# KiCad board DB512k.kicad_pcb (continued)
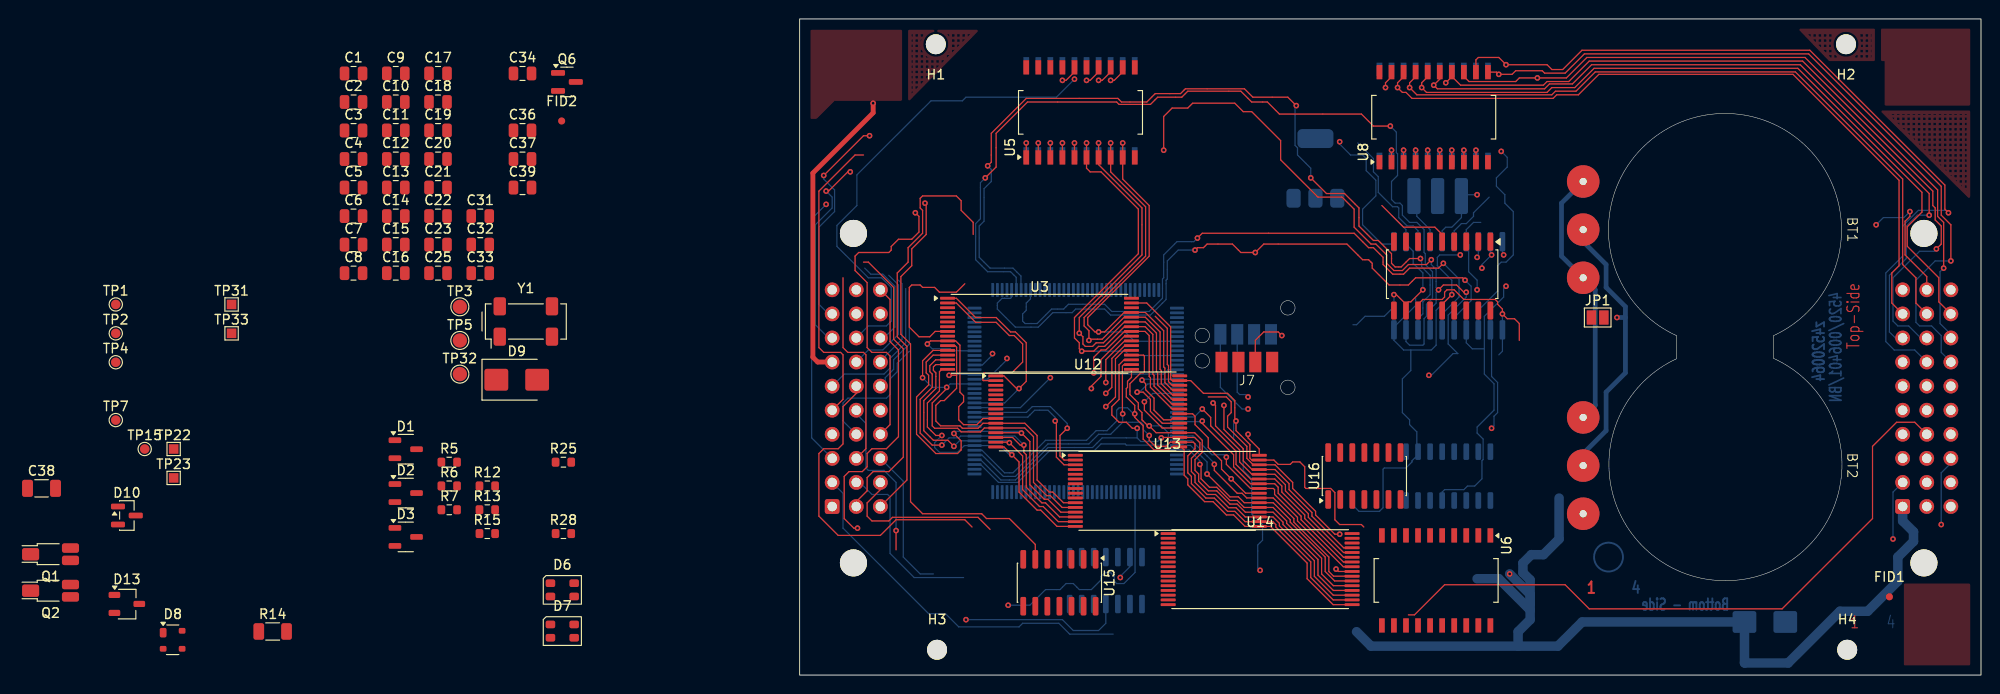
[diagram p0: board, top side]
## Routing (per net, layer and track width the routed paths; a pad name or vN(x,y) marks a point on that pad's centre or on a via; arc(x,y) is an arc through that point)
GND: length 161.5
  Top w0.127: U14.24 56.77,10.93 v1(56.52,11.18) ; U13.24 46.99,19.18 v1(45.47,20.7) 44.45,21.72 44.45,22.61 43.05,24 43.05,25.02 41.66,26.42 41.66,27.31 41.4,27.56 U12.24 ; v1(30.73,30.23) 30.73,30.48 31.75,31.5 31.75,33.27 34.23,35.75 U3.24
  Top w0.5: v1(7.75,60.33) 7.75,59.31 1.4,52.96 1.4,33.53 1.91,33.02 J8.a7
  Bottom w0.127: v1(74.17,44.32) 74.04,44.45 U2.10
  Bottom w1: v1(74.8,10.67) 76.96,8.51 76.96,7.49 ; 76.96,7.49 76.96,10.03 76.2,10.8 76.2,11.81 77.09,12.7 78.36,12.7 80.01,14.35 80.01,18.67 ; 76.96,7.49 76.96,6.86 ; 76.96,6.86 73.66,10.16 71.37,10.16 ; 76.96,6.86 76.96,5.84 75.69,4.57 75.69,3.05 ; J9.a1 116.2,16.26 117.35,15.11 117.35,14.1 115.7,12.45 115.7,9.91 112.52,6.73 109.6,6.73 104.14,1.27 99.57,1.27 99.54,1.3 D4.2 82.43,5.6 79.88,3.05 75.69,3.05 ; 58.67,4.57 60.2,3.05 75.69,3.05
VDD: length 65.4
  Top w0.127: U3.8 14.28,36.25 13.72,35.69 12.57,35.69 11.56,36.7 11.56,40.89 11.81,41.15 12.7,41.15 12.95,40.89 14.22,40.89 14.73,40.39 16.51,40.39 17.4,41.28 ; v1(68.71,40.13) 67.69,39.12 U10.14
  Bottom w0.127: 64.9,39.75 64.9,38.99 62.61,36.7 U2.20 62.61,35.31 63.63,34.29 64.39,34.29 ; 64.39,34.29 64.39,32.13 63.5,31.24 63.5,27.69 64.26,26.92 64.26,26.42 65.02,25.65 65.02,23.11 64.52,22.61 64.52,22.48 63.88,21.84 61.6,21.84 61.47,21.72 61.47,17.65 61.09,17.27 58.93,17.27 58.17,18.03 ; 64.39,34.29 66.55,34.29 67.06,34.8 67.06,38.48 v1(68.71,40.13) 68.71,41.66 67.18,43.18 67.18,44.07 67.44,44.32 v1(69.6,44.32)
+BATT: length 27.8
  Bottom w0.5: BT2.1 83.82,28.45 83.82,40.64 BT1.1 80.26,44.2 80.26,49.78 BT1.1
-BATT: length 29.5
  Bottom w0.5: 87,37.72 87,38.86 84.96,40.89 84.96,43.31 82.55,45.72 BT1.2 ; 87,37.72 87,31.88 84.96,29.85 84.96,25.78 82.55,23.37 BT2.2 ; 87,37.72 v1(86.11,37.72)
/cA1: length 7.4
  Bottom w0.127: J9.c3 121.29,22.35 120.27,21.34 v1(120.27,15.88)
/cA2: length 6.4
  Bottom w0.127: v1(115.19,14.35) 115.19,19.3 J9.a2
/cA20: length 30.8
  Top w0.127: v1(6.1,15.49) 5.72,15.49 4.7,16.51 4.7,20.96 5.21,21.46 6.6,21.46 7.11,21.97 7.11,23.37 7.62,23.88 9.14,23.88 10.41,25.15 10.41,34.29 9.53,35.18 9.53,39.62 J8.c10
/cA22: length 19
  Bottom w0.127: 17.27,10.29 12.07,10.29 9.53,12.83 9.53,18.8 9.27,19.05 7.62,19.05 6.35,20.32 J8.b2
/cD0: length 75.8
  Top w0.127: U8.18 63.63,63.12 62.99,62.48 v1(62.99,61.98) 63.5,61.47 63.88,61.47 64.52,60.83 79.38,60.83 79.76,61.21 82.04,61.21 84.2,63.37 104.65,63.37 115.82,52.2 115.82,43.18 115.06,42.42 115.06,39.24 J9.a9
/cD1: length 75.1
  Top w0.127: J9.b9 117.6,39.24 117.6,41.91 116.2,43.31 116.2,52.32 104.9,63.63 83.82,63.63 81.79,61.6 79.63,61.6 79.25,61.21 65.02,61.21 v1(64.26,61.98) 64.26,62.48 64.9,63.12 U8.17
/cD2: length 76.6
  Top w0.127: J9.c9 120.02,39.37 120.02,41.91 116.69,45.24 116.69,47.29 118.24,48.84 118.24,50.93 105.16,64.01 83.69,64.01 81.66,61.98 79.25,61.98 78.74,61.47 66.04,61.47 v1(65.53,61.98) 65.53,62.48 66.17,63.12 U8.16
/cD3: length 79.4
  Top w0.127: v1(119,48.51) 119,50.8 105.41,64.39 83.44,64.39 81.41,62.36 78.99,62.36 78.49,61.85 67.18,61.85 v1(66.8,62.23) 67.44,62.87 U8.15
  Bottom w0.127: v1(119,48.51) 117.75,48.51 116.59,47.35 116.59,43.94 114.81,42.16 114.81,36.2 115.44,35.56 J9.a8
/cD4: length 81
  Top w0.127: v1(119.76,44.96) 120.27,45.47 120.27,47.37 119.63,48.01 119.63,49.28 119.38,49.53 119.38,51.05 105.66,64.77 83.19,64.77 81.03,62.61 78.74,62.61 78.36,62.23 69.63,62.23 68.71,63.15 U8.14 68.71,63.12 v1(68.07,62.48)
  Bottom w0.127: J9.b8 118.11,35.56 116.84,36.83 115.7,36.83 115.19,37.34 115.19,41.91 117.98,44.7 119.51,44.7 v1(119.76,44.96)
/cD5: length 73.9
  Top w0.127: U8.13 69.98,63.15 70.52,62.61 75.44,62.61 75.82,62.99 v1(77.72,62.99) 80.77,62.99 82.93,65.15 105.92,65.15 119.89,51.18 119.89,48.39 120.52,47.75 v1(120.52,42.93)
  Bottom w0.127: J9.c8 121.29,35.94 120.14,37.08 120.14,42.55 v1(120.52,42.93)
/cD6: length 84.9
  Top w0.127: U8.12 71.25,64.9 71.5,65.15 73.66,65.15 v1(74.42,64.39) 78.74,64.39 79.25,63.88 80.39,63.88 82.42,65.91 106.43,65.91 120.65,51.69 120.65,49.15 v1(121.03,48.77)
  Bottom w0.127: J9.b7 117.48,34.29 115.32,34.29 114.43,35.18 114.43,42.42 116.2,44.2 116.2,47.37 117.86,49.02 120.78,49.02 v1(121.03,48.77)
/cD7: length 78.5
  Top w0.127: v1(121.29,43.69) 121.29,47.5 120.27,48.51 120.27,51.56 106.3,65.53 82.68,65.53 80.64,63.5 78.49,63.5 78.23,63.75 75.44,63.75 75.06,63.37 v1(73.66,63.37) 73.43,63.6 U8.11
  Bottom w0.127: v1(121.29,43.69) 119.63,43.69 117.6,41.66 117.6,37.21 117.98,36.83 119.25,36.83 120.27,35.81 120.27,34.04 J9.c7
/cD10: length 2.1
  Top w0.127: v1(27.69,62.74) 28.07,62.74 28.96,63.63 U5.16
/cD12: length 2.1
  Top w0.127: v1(30.23,62.74) 30.61,62.74 31.5,63.63 U5.14
/cD13: length 2.1
  Top w0.127: v1(31.5,62.74) 31.88,62.74 32.77,63.63 U5.13
/cD14: length 2.1
  Top w0.127: v1(32.77,62.74) 33.15,62.74 34.04,63.63 U5.12
/cPF1: length 32
  Top w0.127: J8.a5 4.57,29.08 4.57,33.78 4.32,34.04 2.54,34.04 2.03,34.54 2.03,51.05 5.84,54.86 6.73,54.86
/cPF2: length 13.5
  Top w0.127: J9.b10 118.75,42.04 116.46,44.32 116.46,47.88 116.97,48.39 v1(116.97,48.9)
  Bottom w0.127: v1(116.97,48.9) 116.33,48.26 114.17,48.26 v1(113.41,47.5)
/cPF5: length 28.3
  Bottom w0.127: J8.a3 1.27,25.02 1.27,48.13 v1(2.79,49.66)
/cPQS0: length 34.2
  Top w0.127: J8.b6 5.97,29.72 4.57,28.32 4.57,24.38 4.06,23.88 2.54,23.88 2.03,23.37 2.03,16.76 4.06,14.73 8.51,14.73 10.16,16.38 17.4,16.38 18.16,15.62
/cPQS1: length 11.3
  Bottom w0.127: 11.56,40.51 11.56,34.93 9.91,33.27 9.91,32.26 9.02,31.37 9.02,30.99 J8.c6
/cPQS2: length 16
  Bottom w0.127: 11.18,40.77 11.18,35.05 9.53,33.4 9.53,32.39 8.89,31.75 4.7,31.75 J8.a6
/cPQS5: length 30.8
  Top w0.127: J8.b1 5.97,18.29 7.11,19.43 7.11,20.83 7.75,21.46 9.4,21.46 10.92,22.99 10.92,34.42 9.91,35.43 9.91,40.89 7.24,43.56 6.73,43.56
/cPQS6: length 44
  Top w0.127: 18.29,46.48 18.29,47.75 17.02,49.02 17.02,50.04 16.51,50.55 12.95,50.55 12.7,50.29 12.7,49.28 12.95,49.02 12.95,46.61 11.43,45.09 11.43,43.56 10.29,42.42 10.29,35.69 11.3,34.67 11.3,20.57 J8.c1
/cRXD: length 31.8
  Top w0.127: J8.c4 9.53,26.42 9.53,33.66 9.14,34.04 7.62,34.04 7.11,34.54 7.11,41.4 5.84,42.67 5.84,44.2 6.22,44.58 9.4,44.58 9.65,44.83 9.65,45.21 10.41,45.97 11.81,45.97 12.57,46.74 12.57,48.39 v1(12.19,48.77)
/cTXD: length 21.4
  Top w0.127: J8.b3 6.98,23.88 6.98,33.78 6.73,34.04 5.08,34.04 4.57,34.54 4.57,41.91
A1: length 69.9
  Top w0.127: U3.20 36.23,33.75 36.32,33.66 36.32,32 36.2,31.88 35.94,31.88 34.8,30.73 34.8,29.59 35.69,28.7 35.69,28.07 36.07,27.69 36.07,26.92 36.7,26.29 v1(36.83,26.29) 37.56,25.56 U12.20 41.62,25.56 42.42,24.77 42.42,23.5 41.66,22.73 41.66,21.59 42.04,21.21 42.04,20.45 43.05,19.43 43.94,19.43 45.34,18.03 46.1,18.03 46.95,17.18 U13.20 49.88,17.18 50.93,16.13 50.93,15.88 54.61,12.19 54.61,10.54 56.23,8.93 U14.20
  Bottom w0.127: 18.43,22.21 19.07,22.21 20.95,20.32 22.99,20.32 26.29,23.62 30.99,23.62 31.75,24.38 34.29,24.38 34.42,24.26 38.61,24.26 38.85,24.5 38.85,25.54 38.1,26.29 v1(36.83,26.29)
A2: length 65.7
  Top w0.127: v1(35.56,26.04) 35.05,26.04 34.42,26.67 33.66,26.67 32.89,27.43 32.89,28.32 33.66,29.08 33.66,32.73 34.17,33.25 U3.19 ; v1(38.1,25.02) 38.14,25.06 U12.19 41.61,25.06 42.16,24.51 42.16,23.75 41.27,22.86 41.27,21.46 41.66,21.08 41.66,20.32 42.93,19.05 43.82,19.05 45.21,17.65 45.97,17.65 46.95,16.68 U13.19 49.87,16.68 50.55,16 50.55,15.75 54.23,12.07 54.23,10.41 56.22,8.43 U14.19
  Bottom w0.127: 35.56,25.02 31.88,25.02 30.86,24 26.16,24 22.73,20.57 21.21,20.57 19.07,22.71 18.43,22.71 ; 35.56,25.02 35.94,24.64 37.72,24.64 v1(38.1,25.02) ; 35.56,25.02 v1(35.56,26.04)
A3: length 63.2
  Top w0.127: v1(34.04,27.56) 34.01,27.59 34.01,32.59 34.17,32.75 U3.18 ; v1(36.83,25.27) 36.83,24.77 37.47,24.13 38.61,24.13 39.04,24.56 U12.18 41.48,24.56 41.66,24.38 41.66,23.88 40.89,23.11 40.89,21.34 41.27,20.96 41.27,20.19 42.8,18.67 43.69,18.67 45.08,17.27 45.85,17.27 46.94,16.18 U13.18 49.86,16.18 50.17,15.88 50.17,15.62 53.85,11.94 53.85,10.29 56.21,7.93 U14.18
  Bottom w0.127: 34.04,26.67 35.94,26.67 36.2,26.42 36.2,25.91 v1(36.83,25.27) ; 34.04,26.67 32.77,25.4 31.5,25.4 30.48,24.38 26.16,24.38 22.73,20.96 21.46,20.96 19.21,23.21 18.43,23.21 ; 34.04,26.67 v1(34.04,27.56)
A4: length 62.4
  Top w0.127: U3.17 34.96,31.4 34.54,30.99 34.54,30.35 34.42,30.23 34.42,29.34 35.31,28.45 v1(35.31,27.56) 35.31,27.18 36.2,26.29 36.2,24.89 37.34,23.75 38.86,23.75 39.18,24.06 U12.17 40.2,24.06 40.51,23.75 40.51,21.08 40.89,20.7 40.89,20.07 42.67,18.29 43.56,18.29 44.96,16.89 45.72,16.89 46.93,15.68 U13.17 49.6,15.68 53.47,11.81 53.47,10.16 56.2,7.43 U14.17
  Bottom w0.127: 18.43,23.71 19.22,23.71 21.59,21.34 22.48,21.34 25.91,24.77 30.23,24.77 31.24,25.78 32.39,25.78 33.4,26.8 33.4,27.94 33.66,28.19 34.54,28.19 35.18,27.56 v1(35.31,27.56)
A5: length 33.6
  Top w0.127: U12.16 21.53,24.06 v1(22.35,23.24) 23.11,22.48 23.11,19.3 25.02,17.4 25.4,17.4 27.12,15.68 U13.16 ; v1(14.99,25.27) 14.35,25.27 13.46,26.16 13.46,28.7 14.73,29.97 14.73,32 14.98,32.25 U3.16
  Bottom w0.127: v1(22.35,23.24) 22.1,23.24 21.13,24.21 17.35,24.21 16.64,23.5 14.73,23.5 14.22,24 14.22,24.51 v1(14.99,25.27)
A6: length 32.9
  Top w0.127: U3.15 14.34,32.75 14.1,32.51 14.1,32.13 14.35,31.88 14.35,30.23 13.08,28.96 13.08,25.78 14.1,24.77 15.62,24.77 v1(16.26,24.13) ; U13.15 27.25,16.18 25.65,17.78 25.27,17.78 23.5,19.56 23.5,23.11 v1(22.1,24.51) 22.05,24.56 U12.15
  Bottom w0.127: v1(22.1,24.51) 21.9,24.71 16.84,24.71 v1(16.26,24.13)
A7: length 36.4
  Top w0.127: v1(14.99,24.26) 13.97,24.26 12.7,25.53 12.7,29.08 13.97,30.35 13.97,31.75 13.72,32 13.72,32.64 14.33,33.25 U3.14 ; U12.14 22.44,25.06 23.24,24.26 v1(23.62,24.26) 23.62,23.5 23.88,23.24 23.88,19.81 25.53,18.16 25.91,18.16 27.39,16.68 U13.14
  Bottom w0.127: v1(23.62,24.26) 22.67,25.21 16.95,25.21 16.76,25.02 15.75,25.02 v1(14.99,24.26)
A8: length 40.5
  Top w0.127: v1(16.26,25.48) 16.26,25.46 17.02,24.7 17.02,23.75 16.64,23.37 14.35,23.37 12.32,25.4 12.32,29.34 13.59,30.61 13.59,31.62 13.34,31.88 13.34,33.02 14.07,33.75 U3.13 ; U13.13 27.52,17.18 26.16,18.54 25.78,18.54 24.26,20.07 24.26,24.64 v1(23.37,25.53) 23.33,25.56 U12.13
  Bottom w0.127: v1(23.37,25.53) 23.19,25.71 16.31,25.71 16.26,25.65 v1(16.26,25.48)
A9: length 15.7
  Top w0.127: v1(26.92,26.8) 27.05,26.67 27.05,22.99 27.86,22.18 U13.3
  Bottom w0.127: 18.43,27.21 24.03,27.21 24.77,27.94 26.16,27.94 26.92,27.18 v1(26.92,26.8)
A10: length 34.6
  Top w0.127: U13.2 27.87,22.68 27.43,23.11 27.43,25.27 v1(28.19,26.04) ; U3.2 16.5,39.25 18.54,37.21 20.7,37.21 22.1,35.81 22.61,35.81 23.5,34.93 23.5,33.02 22.35,31.88 19.43,31.88 19.3,31.75 19.3,31.12 19.36,31.06 U12.2
  Bottom w0.127: 18.43,27.71 23.9,27.71 24.51,28.32 26.42,28.32 28.19,26.54 v1(28.19,26.04)
A11: length 70.1
  Top w0.127: U3.31 36.57,39.25 39.09,36.73 39.09,31.23 39.25,31.06 U12.31 41.2,31.06 42.55,29.72 45.08,29.72 45.85,28.96 45.85,26.92 v1(45.97,26.8) 45.97,25.78 47.43,24.32 ; 59.44,15.62 59.18,15.88 56.9,15.88 56.39,16.38 56.39,19.24 55.95,19.69 53.34,19.69 53.21,19.81 53.21,21.97 52.7,22.48 51.94,22.48 51.69,22.23 50.42,22.23 49.96,22.68 U13.31 47.64,22.68 47.43,22.88 47.43,24.32 ; 47.43,24.32 47.43,24.26
  Bottom w0.127: v1(45.97,26.8) 45.72,26.54 45.72,24.89 46.74,23.88 46.74,21.59 47.63,20.7 47.63,17.02 48.77,15.88 48.77,14.22 48.26,13.72 48.26,11.3 v1(48.51,11.05) ; v1(26.42,31.37) 23.26,28.21 18.43,28.21
A12: length 23.7
  Top w0.127: U3.1 16.51,39.75 18.54,37.72 20.7,37.72 22.23,36.2 22.73,36.2 23.88,35.05 23.88,30.99 v1(23.11,30.23) 22.86,30.23 21.52,31.56 U12.1
  Bottom w0.127: v1(23.11,30.23) 21.6,28.71 18.43,28.71
A13: length 37.4
  Top w0.127: U3.12 14.06,34.25 12.95,33.15 v1(12.95,31.37) ; v1(15.49,30.35) 15.49,30.23 13.97,28.7 13.97,26.29 14.22,26.04 16.64,26.04 17.02,25.65 19.05,25.65 19.46,26.06 U12.12 23.72,26.06 24.64,25.15 24.64,20.32 26.04,18.92 26.42,18.92 27.66,17.68 U13.12
  Bottom w0.127: v1(12.95,31.37) 13.97,30.35 v1(15.49,30.35) 15.85,30.71 18.43,30.71
A14: length 4.4
  Bottom w0.127: 18.43,31.21 19.78,31.21 21.84,33.27 v1(21.84,33.4)
A15: length 34.9
  Top w0.127: v1(15.75,31.62) 16.54,31.62 ; 16.54,31.62 16.54,34.59 16.37,34.75 U3.11 ; 16.54,31.62 16.54,30.25 15.24,28.96 14.86,28.96 14.35,28.45 14.35,26.8 14.86,26.29 16.89,26.29 17.15,26.04 18.8,26.04 19.32,26.56 U12.11 23.73,26.56 25.02,25.27 25.02,20.57 26.29,19.3 26.67,19.3 27.79,18.18 U13.11
  Bottom w0.127: 18.43,31.71 15.83,31.71 v1(15.75,31.62)
A16: length 2.5
  Bottom w0.127: 18.43,32.71 19.25,32.71 20.32,33.78 v1(20.32,33.91)
A17: length 21.6
  Top w0.127: v1(13.46,34.93) 13.79,35.25 U3.10 16.44,35.25 16.89,34.8 16.89,29.85 17.27,29.46 17.27,28.83 16.76,28.32 16.76,26.92 17.27,26.42 18.67,26.42 19.32,27.06 U12.10
  Bottom w0.127: 18.43,34.21 16.08,34.21 15.88,34.42 13.97,34.42 v1(13.46,34.93)
A19: length 25.3
  Bottom w0.127: U1.6 35.34,10.83 34.16,9.65 33.4,9.65 33.15,9.91 33.15,10.41 32.77,10.8 32.13,10.8 31.75,10.41 31.75,10.03 30.73,9.02 29.46,9.02 28.83,9.65 28.07,9.65 27.43,9.02 25.91,9.02 24.26,7.37 v1(21.97,7.37)
CE: length 1.9
  Top w0.127: U8.19 62.36,63.12 61.72,62.48 v1(61.72,61.98)
D0: length 27.8
  Top w0.127: U14.21 56.23,9.43 54.99,10.67 54.99,12.32 51.31,16 51.31,16.26 49.88,17.68 U13.21 46.83,17.68 46.1,18.42 45.34,18.42 43.94,19.81 43.18,19.81 42.29,20.7 42.29,22.1 v1(42.16,22.23) ; U8.9 v1(71.25,55.37)
  Bottom w0.127: v1(42.16,22.23) 42.16,22.61 41.04,23.73 39.73,23.73
D1: length 28.5
  Top w0.127: v1(42.93,21.21) 45.34,18.8 46.23,18.8 46.84,18.18 U13.22 49.89,18.18 51.69,16.38 51.69,16.13 55.37,12.45 55.37,10.92 56.37,9.93 U14.22 ; U8.8 v1(69.98,55.37)
  Bottom w0.127: v1(42.93,21.21) 42.93,22.48 41.18,24.23 39.73,24.23 ; U7.3 v1(69.98,55.37)
D2: length 27.2
  Top w0.127: v1(43.69,22.23) 43.69,21.59 46.1,19.18 46.61,19.18 47.11,18.68 U13.23 49.9,18.68 52.07,16.51 52.07,16.13 55.75,12.45 55.75,10.92 56.25,10.43 U14.23 ; U8.7 v1(68.71,55.37)
  Bottom w0.127: v1(43.69,22.23) 43.69,22.35 41.31,24.73 39.73,24.73
D3: length 26.4
  Top w0.127: v1(44.96,22.99) 44.96,22.23 47.5,19.68 U13.25 49.92,19.68 50.04,19.56 50.04,19.05 52.45,16.64 52.45,16.26 57.28,11.43 U14.25 ; U8.6 v1(67.44,55.37)
  Bottom w0.127: 39.73,25.23 41.45,25.23 43.43,23.24 44.7,23.24 v1(44.96,22.99)
D4: length 27.4
  Top w0.127: U8.5 v1(66.17,55.37) ; U14.26 57.29,11.93 52.83,16.38 52.83,16.76 50.42,19.18 50.42,19.81 50.05,20.18 U13.26 47.51,20.18 45.72,21.97 45.72,23.24 42.42,26.54 v1(42.42,26.8)
  Bottom w0.127: v1(42.42,26.8) 42.35,26.73 39.73,26.73
D5: length 28.5
  Top w0.127: U14.27 57.3,12.43 53.21,16.51 53.21,16.89 50.8,19.3 50.8,19.94 50.06,20.68 U13.27 47.52,20.68 45.97,22.23 45.97,23.62 43.31,26.29 43.31,27.18 v1(42.42,28.07) ; U8.4 v1(64.9,55.37)
  Bottom w0.127: 39.73,27.23 41.58,27.23 v1(42.42,28.07)
D6: length 25
  Top w0.127: v1(43.56,28.7) 43.82,28.45 43.82,26.29 46.36,23.75 46.36,22.48 47.65,21.18 U13.28 50.07,21.18 51.18,20.07 51.18,19.43 53.59,17.02 53.59,16.64 57.3,12.93 U14.28 ; U8.3 v1(63.63,55.37)
D7: length 23.8
  Top w0.127: U14.29 57.31,13.43 53.98,16.76 53.98,17.15 51.56,19.56 51.56,20.19 50.07,21.68 U13.29 47.66,21.68 46.74,22.61 46.74,23.88 44.7,25.91 v1(44.7,28.45) ; U8.2 v1(62.36,55.37)
D8: length 18.2
  Top w0.127: U12.21 38.2,26.06 36.32,27.94 v1(36.32,28.83) ; U5.2 v1(25.15,56.13) ; v1(32.26,28.32) 33.27,29.34 33.27,33.35 34.17,34.25 U3.21
  Bottom w0.127: v1(36.32,28.83) 37.2,29.71 U1.127
D9: length 19.2
  Top w0.127: U3.22 34.24,34.75 32.89,33.4 32.89,30.35 v1(32.26,29.72) ; v1(35.56,29.85) 36.2,29.85 36.96,29.08 36.96,27.81 38.21,26.56 U12.22 ; U5.3 v1(26.42,56.13)
  Bottom w0.127: v1(35.56,29.85) 35.81,29.85 36.68,30.71 U1.125
D10: length 18.1
  Top w0.127: U3.23 34.23,35.25 32.26,33.27 v1(32.26,30.86) ; U12.23 39.26,27.06 39.12,26.92 38.35,26.92 37.34,27.94 37.34,29.21 36.45,30.1 36.45,30.73 v1(36.07,31.12) ; U5.4 v1(27.69,56.13)
  Bottom w0.127: v1(36.07,31.12) 36.16,31.21 U1.124
D11: length 28.9
  Top w0.127: v1(30.99,31.88) 30.99,33.53 31.75,34.29 32.26,34.29 34.22,36.25 U3.25 36.39,36.25 36.83,35.81 36.83,31.5 36.96,31.37 36.96,30.35 39.25,28.06 U12.25 ; U5.5 v1(28.96,56.13)
  Bottom w0.127: v1(30.99,31.88) 31.12,31.75 38.35,31.75 38.81,32.21 U1.122
D12: length 56.1
  Top w0.127: U12.26 39.26,28.56 37.34,30.48 37.34,31.62 37.21,31.75 37.21,35.94 36.4,36.75 U3.26 34.21,36.75 32.13,34.67 31.5,34.67 30.99,34.16 v1(29.72,34.16) 29.46,34.42 29.46,35.05 28.96,35.56 28.96,37.72 35.69,44.45 35.69,49.15 31.75,53.09 30.61,53.09 30.23,53.47 v1(30.23,56.13)
  Bottom w0.127: v1(29.72,34.16) 34.29,34.16 34.74,33.71 U1.119
D13: length 43.9
  Top w0.127: v1(31.5,56.13) U5.7 31.5,53.85 36.07,49.28 36.07,44.32 29.46,37.72 v1(29.46,36.07) 29.84,35.69 29.84,34.93 30.1,34.67 30.86,34.67 31.24,35.05 32,35.05 34.2,37.25 U3.27 36.41,37.25 37.59,36.07 37.59,32 37.72,31.88 37.72,30.61 39.26,29.06 U12.27
D14: length 42.3
  Top w0.127: U12.28 39.27,29.56 38.1,30.73 38.1,32.13 37.97,32.26 37.97,36.2 36.42,37.75 U3.28 34.2,37.75 31.88,35.43 30.61,35.43 v1(30.48,35.31) 30.48,36.32 29.97,36.83 29.97,37.72 36.45,44.2 36.45,49.4 32.77,53.09 U5.8 v1(32.77,56.13)
D15: length 49.1
  Top w0.127: U12.29 39.28,30.06 38.48,30.86 38.48,32.39 38.35,32.51 38.35,36.32 36.42,38.25 U3.29 34.19,38.25 32.13,36.2 v1(31.5,36.2) 31.12,36.2 30.35,36.96 30.35,37.72 36.83,44.2 36.83,49.53 34.04,52.32 U5.9 v1(34.04,56.13)
  Bottom w0.127: U1.116 35.28,35.21 34.29,36.2 v1(31.5,36.2)
DSCLK: length 90.4
  Top w0.127: v1(53.85,52.45) 55.5,50.8 57.4,50.8 58.93,49.28 58.93,47.37 60.45,45.85 60.96,45.85 62.36,44.45 62.36,43.43 62.74,43.05 63.37,43.05 64.26,43.94 v1(65.41,43.94) ; v1(52.32,60.07) 51.44,60.96 47.75,60.96 46.86,61.85 40.64,61.85 40.13,61.34 37.47,61.34 36.58,60.45 33.91,60.45 33.53,60.83 23.88,60.83 20.19,57.15 20.19,54.1 v1(19.81,53.72)
  Bottom w0.127: 65.15,36.07 65.15,37.59 65.66,38.1 65.66,39.37 66.42,40.13 66.42,42.16 65.53,43.05 65.53,43.82 v1(65.41,43.94) ; 23.32,40.64 23.32,42.09 22.48,42.93 20.07,42.93 18.92,44.07 18.92,47.37 19.43,47.88 19.43,51.31 20.19,52.07 20.19,53.34 v1(19.81,53.72) ; v1(52.32,60.07) 52.2,59.94 52.2,55.88 52.45,55.63 52.45,54.86 53.85,53.47 v1(53.85,52.45)
DSI: length 95.5
  Top w0.127: v1(19.56,52.45) 20.7,53.59 20.7,57.15 24,60.45 33.4,60.45 33.66,60.2 36.96,60.2 37.72,60.96 40.26,60.96 40.89,61.6 46.48,61.6 47.63,60.45 49.28,60.45 50.55,59.18 59.18,59.18 60.45,57.91 v1(62.23,57.91)
  Bottom w0.127: v1(19.56,52.45) 19.05,51.94 19.05,48.13 18.54,47.63 18.54,43.82 19.81,42.55 22.23,42.55 22.82,41.95 22.82,40.64 ; v1(62.23,57.91) 62.86,57.28 62.86,55.12 62.99,54.99 62.99,52.71 62.36,52.07 62.36,50.17 62.74,49.78 63.25,49.78 63.5,49.53 63.5,48.51 64.26,47.75 65.02,47.75 65.79,46.99 65.79,44.58 65.91,44.45 65.91,43.31 66.67,42.55 66.67,39.75 66.04,39.12 66.04,37.85 65.79,37.59 65.79,34.93 65.66,34.8 64.26,34.8 63.88,35.18 U2.19
DSO: length 69.7
  Top w0.127: v1(41.66,44.83) 41.91,45.09 42.55,45.09 42.93,45.47 45.59,45.47 46.48,44.58 v1(48.01,44.58) 48.89,45.47 57.66,45.47 59.31,43.82 59.94,43.82 60.33,43.43 60.33,42.93 62.1,41.15 64.14,41.15 64.9,41.91 69.85,41.91 v1(70.1,41.66)
  Bottom w0.127: 68.96,35.94 68.96,37.72 70.74,39.5 70.74,41.02 v1(70.1,41.66) ; v1(41.66,44.83) 39.88,44.83 38.73,43.69 38.73,41.78 38.61,41.66 38.61,39.62 36.96,37.97 32.77,37.97 32.13,38.61 29.08,38.61 28.7,38.23 26.67,38.23 25.15,36.7 22.73,36.7 20.83,38.61 20.83,39.24 21.32,39.74 21.58,39.74 21.59,39.75 21.6,39.74 22.21,39.74 22.32,39.85 22.32,40.64
FREEZE: length 66.9
  Top w0.127: v1(67.82,43.43) 67.31,42.93 64.26,42.93 63.63,42.29 62.48,42.29 61.47,43.31 61.47,44.07 60.45,45.09 59.94,45.09 58.42,46.61 42.42,46.61 v1(41.91,46.1)
  Bottom w0.127: 67.69,35.94 67.69,38.1 69.47,39.88 69.47,41.78 v1(67.82,43.43) ; v1(41.91,46.1) 41.53,45.72 39.75,45.72 38.35,44.32 38.35,41.91 38.23,41.78 38.23,39.75 36.83,38.35 32.89,38.35 32.13,39.12 28.32,39.12 27.81,38.61 26.54,38.61 25.02,37.08 23.75,37.08 23.5,37.34 23.5,38.1 23.88,38.48 23.88,39.24 24.32,39.69 24.32,40.64
RTC_CLK: length 20.4
  Top w0.127: U10.12 65.15,39.12 65.66,39.62 67.69,39.62 67.95,39.88 67.95,40.39 68.2,40.64 68.96,40.64 69.98,39.62 73.28,39.62 73.53,39.37 73.53,39.12 74.04,38.61 v1(74.04,38.1) 74.55,37.59 75.31,37.59 75.82,37.08 75.82,35.31
  Bottom w0.127: v1(74.04,38.1) U2.11 74.04,34.16 73.66,33.78
RTC_DATA: length 20.4
  Top w0.127: 63.88,39.12 62.86,40.13 v1(62.61,40.13) ; 63.88,39.12 U10.11 ; 63.88,39.12 64.14,39.37 64.39,39.37 v1(65.66,40.64)
  Bottom w0.127: 62.36,48.51 63.88,46.99 U2.2 63.88,45.47 64.64,44.7 64.64,43.43 65.66,42.42 v1(65.66,40.64) ; 58.29,36.96 58.67,36.96 59.56,37.85 61.6,37.85 62.61,38.86 v1(62.61,40.13)
Net-(J9B-Pin_b4): length 70.1
  Top w0.127: 64.14,6.35 64.77,6.35 67.95,9.53 80.64,9.53 83.19,6.99 103.51,6.99 113.03,16.51 113.03,24.13 115.57,26.67 117.48,26.67 J9.b4
Net-(U2-XTAL1): length 7.6
  Bottom w0.127: v1(71.37,50.67) 70.1,50.67 69.72,50.29 69.72,48.26 68.71,47.24 68.07,47.24 67.69,46.86 U2.5
Net-(U2-XTAL2): length 5.3
  Bottom w0.127: U2.4 66.42,46.99 65.02,48.39 65.02,50.42
Net-(U10-Foe): length 8.4
  Top w0.127: U10.5 67.69,46.48 66.93,47.24 63.63,47.24 61.34,49.53
unconnected-(J1-Pin_1-Pad1): length 9.5
  Bottom w0.127: J1.1 44.32,30.35 46.61,28.07 v1(47.24,28.07)
unconnected-(J1-Pin_2-Pad2): length 7.4
  Bottom w0.127: J1.2 46.1,29.85 46.36,29.59 46.99,29.59 v1(47.24,29.34)
unconnected-(J7-Pin_3-Pad3): length 5.6
  Top w0.127: v1(50.8,35.81) 50.42,36.2 48.89,36.2 48.01,35.31 J7.3
unconnected-(J8A-Pin_a2-Pada2): length 38.7
  Bottom w0.127: J8.a2 4.57,19.18 4.57,15.49 13.59,6.48 15.37,6.48 16.76,5.08 23.11,5.08 23.5,5.46 27.31,5.46 28.45,4.32 33.02,4.32
unconnected-(J8A-Pin_a8-Pada8): length 20.8
  Top w0.127: v1(5.33,53.09) 5.08,53.09 3.05,51.05 v1(2.79,51.05)
  Bottom w0.127: J8.a8 3.05,35.56 1.65,36.96 1.65,47.5 3.43,49.28 3.43,50.42 v1(2.79,51.05)
unconnected-(J8A-Pin_a9-Pada9): length 23.1
  Top w0.127: v1(7.37,56.9) 6.73,56.9 v1(2.54,52.71)
  Bottom w0.127: J8.a9 3.05,38.1 2.03,39.12 2.03,47.24 3.68,48.9 3.68,51.18 2.54,52.32 v1(2.54,52.71)
unconnected-(J8B-Pin_b4-Padb4): length 14.6
  Bottom w0.127: 11.56,34.16 10.29,32.89 10.29,32 9.53,31.24 9.53,29.59 9.14,29.21 5.08,29.21 4.57,28.7 4.57,26.8 J8.b4
unconnected-(J8B-Pin_b5-Padb5): length 17.4
  Top w0.127: v1(10.16,15.24) 10.16,13.21
  Bottom w0.127: J8.b5 5.97,27.56 6.98,26.54 6.98,21.84 7.24,21.59 8.89,21.59 10.16,20.32 v1(10.16,15.24)
unconnected-(J8B-Pin_b7-Padb7): length 12.3
  Bottom w0.127: J8.b7 7.24,34.29 8.76,34.29 10.41,35.94 10.41,41.15 9.4,42.16
unconnected-(J8B-Pin_b8-Padb8): length 51
  Bottom w0.127: v1(28.96,62.87) 27.05,60.96 17.53,60.96 17.15,60.58 13.84,60.58 6.03,52.77 6.03,49.53 3.93,47.43 3.93,45.22 7.24,41.91 8.64,41.91 9.65,40.89 9.65,37.34 9.14,36.83 7.24,36.83 J8.b8
unconnected-(J8C-Pin_c2-Padc2): length 18
  Top w0.127: 20.07,15.37 18.8,16.64 9.78,16.64 9.4,16.26 7.62,16.26 7.11,16.76 7.11,18.16 8.51,19.56 J8.c2
unconnected-(J8C-Pin_c3-Padc3): length 15.3
  Bottom w0.127: J8.c3 10.92,20.45 10.92,12.45 12.7,10.67 14.1,10.67
unconnected-(J8C-Pin_c7-Padc7): length 9.7
  Bottom w0.127: 10.41,41.66 10.8,41.28 10.8,35.43 8.51,33.15 J8.c7
unconnected-(J8C-Pin_c8-Padc8): length 10.3
  Bottom w0.127: J8.c8 8.89,35.56 10.03,36.7 10.03,41.02 8.76,42.29 7.49,42.29 6.86,42.93
unconnected-(U2-PB0-Pad12): length 11
  Bottom w0.127: U2.12 72.9,36.29 72.9,31.5 73.53,30.86 73.53,27.69 73.15,27.31 73.15,26.29 v1(72.9,26.04)
unconnected-(U2-PB1-Pad13): length 22.1
  Bottom w0.127: U2.13 71.5,38.48 73.53,40.51 73.53,43.18 73.91,43.56 74.42,43.56 75.18,44.32 75.18,48.9 74.3,49.78 74.3,50.67 73.41,51.56 73.41,52.45 74.55,53.59 74.55,54.61 v1(73.91,55.25)
unconnected-(U2-PB2-Pad14): length 31.6
  Bottom w0.127: 72.14,34.42 72.14,31.75 73.15,30.73 73.15,27.94 71.37,26.16 71.37,25.53 72.01,24.89 72.01,22.73 71.88,22.61 71.88,20.7 71.12,19.94 70.36,19.94 69.98,19.56 67.95,19.56 67.69,19.3 67.69,18.8 ; 72.14,34.42 70.87,34.42 70.23,35.05 U2.14 ; 72.14,34.42 72.14,37.85 74.17,39.88 74.17,40.77 v1(74.42,41.02)
unconnected-(U2-PB5-Pad17): length 66.1
  Top w0.127: v1(66.55,43.82) 66.04,43.31 64.14,43.31 63.5,42.67 62.61,42.67 61.85,43.43 61.85,44.32 60.71,45.47 60.2,45.47 58.42,47.24 58.42,49.15 57.15,50.42 54.61,50.42 50.67,54.36 50.67,56.39 47.63,59.44 46.74,59.44 45.85,60.33 41.4,60.33 40.89,59.82 39.24,59.82 38.35,58.93 v1(38.35,55.37) ; v1(70.23,40.39) 69.98,40.39 69.22,41.15 67.82,41.15 v1(67.31,40.64)
  Bottom w0.127: v1(66.55,43.82) 66.55,43.31 67.06,42.8 67.06,40.89 v1(67.31,40.64) 67.06,40.39 67.06,39.24 66.42,38.61 U2.17 ; v1(70.23,40.39) 70.23,39.88 68.33,37.97 68.33,34.93 69.34,33.91 68.83,33.91 66.55,31.62 v1(66.29,31.62)
unconnected-(U2-PD1-Pad3): length 13.7
  Bottom w0.127: U2.3 65.15,46.86 64.64,47.37 64.01,47.37 63.12,48.26 63.12,49.28 62.99,49.4 62.48,49.4 60.96,50.93 60.96,52.58 60.45,53.09 60.45,54.48 58.8,56.13
unconnected-(U2-PD2-Pad6): length 6.5
  Bottom w0.127: U2.6 68.96,46.86 69.72,47.63 70.23,47.63 70.99,48.39 70.99,48.77 72.64,50.42
unconnected-(U2-PD3-Pad7): length 8.7
  Bottom w0.127: v1(71.37,40.64) 71.37,41.66 70.48,42.55 70.48,45.47 U2.7 70.23,46.99 70.99,47.75 71.76,47.75
unconnected-(U2-PD4-Pad8): length 1.7
  Bottom w0.127: v1(71.37,44.07) 71.5,44.2 U2.8
unconnected-(U2-PD5-Pad9): length 3.3
  Bottom w0.127: U2.9 72.77,44.45 v1(72.9,44.32) 71.88,43.31 v1(71.88,42.93)
unconnected-(U2-~{RESET}-Pad1): length 15.9
  Bottom w0.127: U2.1 62.36,45.47 61.34,45.47 59.31,47.5 59.31,49.15 60.71,50.55 60.71,52.2 59.69,53.21 59.69,54.48 59.31,54.86 58.04,54.86 56.9,56.01 v1(56.9,56.26)
unconnected-(U5-A->B-Pad1): length 1.5
  Top w0.127: U5.1 v1(23.88,56.13)
unconnected-(U11-Pad4): length 17.6
  Bottom w0.127: v1(17.53,5.84) 27.69,5.84 28.83,4.7 31.5,4.7 32.26,5.46 32.26,7.49
unconnected-(U11-Pad13): length 2.6
  Bottom w0.127: v1(33.78,10.29) 33.78,10.41 34.8,11.43 U11.13
unconnected-(U12-~{CS1}/~{CE1}-Pad30): length 8.8
  Top w0.127: U12.30 39.25,30.56 38.86,30.95 38.86,32.64 38.73,32.77 38.73,36.58 37.47,37.85
unconnected-(U13-~{CS1}/~{CE1}-Pad30): length 23.3
  Top w0.127: v1(56.9,14.86) 56.39,14.86 54.36,16.89 54.36,17.27 51.94,19.69 51.94,20.32 50.08,22.18 U13.30 47.8,22.18 47.12,22.86 47.12,24.13 45.08,26.16 45.08,27.31 45.47,27.69 45.47,28.83 44.96,29.34 43.05,29.34
unconnected-(U13-~{OE}-Pad32): length 2.7
  Top w0.127: v1(47.24,25.4) 47.24,25.02 48.42,23.84 U13.32
unconnected-(U15-Pad6): length 49.7
  Top w0.127: U15.6 24.83,13.78 22.1,16.51 19.69,16.51 19.18,17.02 12.95,17.02 11.68,18.29 11.68,34.93 10.67,35.94 10.67,42.04 11.81,43.18 11.81,44.96 13.34,46.48 13.34,49.66 v1(13.21,49.78)

## Copper pours and planes (outline as drawn; the poured copper is in the pictures)
GND on Top: 123.32,60.07 123.32,68.2 113.92,68.2 113.92,64.77 114.3,64.77 114.3,60.07
GND on Top: 123.32,59.56 113.79,59.56 123.32,50.17
GND on Top: 113.28,68.2 105.16,68.2 108.46,64.77 113.28,64.77
GND on Top: 116.33,9.65 116.33,1.02 123.32,1.02 123.32,9.65
GND on Top: 11.43,68.07 11.43,60.45 18.95,68.07
GND on Top: 10.8,68.07 1.14,68.07 1.14,58.67 1.78,58.67 3.68,60.58 10.8,60.58
GND on Bottom: 113.79,68.2 113.79,60.33 123.32,60.33 123.32,68.2
GND on Bottom: 109.86,5.72 109.86,1.02 11.43,1.02 11.43,10.16 18.42,3.18 107.06,3.05
GND on Bottom: 10.92,9.78 1.4,9.78 1.4,1.14 10.92,1.14
GND on Bottom: 123.06,9.14 116.84,9.14 116.84,1.02 123.06,1.02
GND on Bottom: 123.06,11.18 115.06,11.18 113.67,9.78 123.06,9.78
GND on Bottom: 115.95,3.94 111.63,3.94 111.63,1.14 115.95,1.14
GND on Bottom: 11.05,68.2 1.4,68.2 1.4,59.82 11.05,59.82
GND on In1.Cu: 1.27,71.76 123.44,71.76 123.44,-2.54 1.27,-2.54
VDD on In2.Cu: 3.18,72.39 3.18,-3.17 122.05,-3.17 122.05,72.39

## Text on the board
Bottom: Bottom - Side | z4520068 | 4520/006401/BN | z4520064 | 4 | 4520/006801/BN
Top: 1 | Top-Side
In1.Cu: 2
In2.Cu: 3
